# Altium PCB Touch.PcbDoc
Units mil, origin at the board's own origin, x right, y up, seen from the top; angles counter-clockwise.
Board outline 18895 x 844.38 mil, 2 copper layers (Top Layer, Bottom Layer); 105 components, 62 nets, 324 pads, 237 vias.
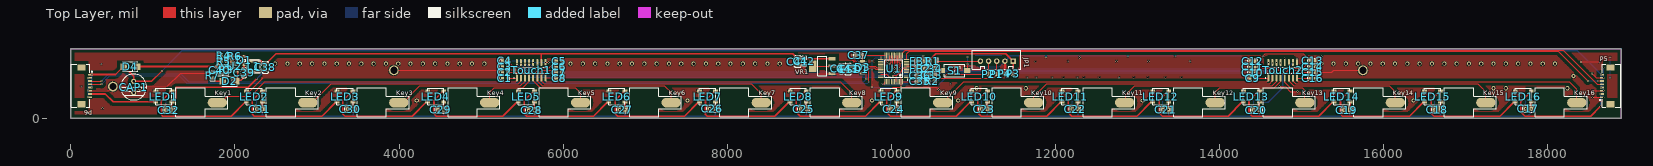
[diagram p0: Top Layer view]
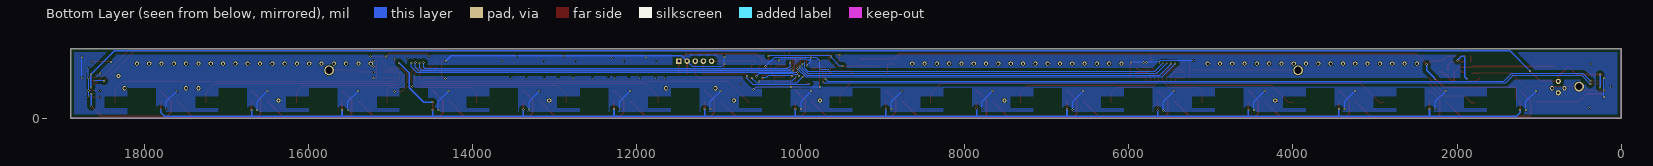
[diagram p1: Bottom Layer view, seen from below]
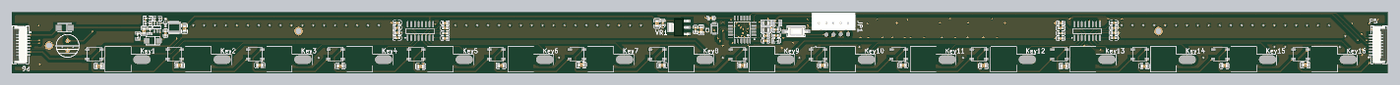
[diagram p2: 3D render of the assembled board from above, using the file's embedded part models]

## Layer stack, top to bottom
Top Solder: solder mask 0.4, Solder Resist, Dk 3.5
Top Layer: signal copper 1.4
Dielectric 1: dielectric 12.6, FR-4, Dk 4.8
Bottom Layer: signal copper 1.4
Bottom Solder: solder mask 0.4, Solder Resist, Dk 3.5

## Board outline
0,0 18895,0 18895,844.38 0,844.38

## Design rules (kind name [scope] priority, off if disabled: settings)
Clearance CU [InNamedPolygon('POWER_GND_L02_P000')] p1: gap=39.37
Clearance CU2 [InNamedPolygon('POWER_GND_L01_P002')] p2: gap=39.37
Clearance [All] p3: gap=6
PolygonConnect [All] p1: connectstyle=Relief reliefconductorwidth=10 reliefentries=4 polygonreliefangle="90 Angle" airgapwidth=10
RoutingVias [All] p1: holewidth=11.81 width=23.62 viastyle="Through Hole" minholewidth=11.81 minwidth=23.62 maxholewidth=19.68 maxwidth=50
SolderMaskExpansion [All] p1: expansion=4
Width [All] p1: maxlimit=20 minlimit=6 preferedwidth=10
30 further rules are at their usual default settings.

## Classes and differential pairs
component class WS2812: C1 C2 C3 C4 C5 C6 C7 C8 C9 C10 C11 C12 C13 C14 C15 C16 C17 C18 C19 C20 C21 C22 C23 C24 C25 C26 C27 C28 C29 C30 C31 C32 Key1 Key2 Key3 Key4 Key5 Key6 Key7 Key8 Key9 Key10 Key11 Key12 Key13 Key14 Key15 Key16 LED1 LED2 LED3 LED4 LED5 LED6 LED7 LED8 LED9 LED10 LED11 LED12 LED13 LED14 LED15 LED16 Touch1 Touch2
component class POWER: C38 C39 C40 C41 C42 C43 C44 CAP1 D1 D2 D3 D4 ESD1 L1 P5 P6 R3 R4 R5 R6 R7 U2 VR1
component class MCU: C33 C34 C35 C36 C37 FB1 FB2 JP1 P1 P2 P3 P4 R1 R2 S1 U1

## Components (designator, comment, footprint, x,y, rotation, side; value= is the part's Value field where it differs from the comment)
C1 "10pF (100) 5% 50V" 0603_C 5290,489.38 r180 top
C2 "10pF (100) 5% 50V" 0603_C 5290,559.38 r180 top
C3 "10pF (100) 5% 50V" 0603_C 5290,629.38 r180 top
C4 "10pF (100) 5% 50V" 0603_C 5290,699.38 r180 top
C5 "10pF (100) 5% 50V" 0603_C 5950,694.38 r0 top
C6 "10pF (100) 5% 50V" 0603_C 5950,624.38 r0 top
C7 "10pF (100) 5% 50V" 0603_C 5950,554.38 r0 top
C8 "10pF (100) 5% 50V" 0603_C 5950,484.38 r0 top
C9 "10pF (100) 5% 50V" 0603_C 14405,484.38 r180 top
C10 "10pF (100) 5% 50V" 0603_C 14405,554.38 r180 top
C11 "10pF (100) 5% 50V" 0603_C 14405,624.38 r180 top
C12 "10pF (100) 5% 50V" 0603_C 14405,694.38 r180 top
C13 "10pF (100) 5% 50V" 0603_C 15135,699.38 r0 top
C14 "10pF (100) 5% 50V" 0603_C 15135,629.38 r0 top
C15 "10pF (100) 5% 50V" 0603_C 15135,559.38 r0 top
C16 "10pF (100) 5% 50V" 0603_C 15135,489.38 r0 top
C17 "10uF (106) 10% 25V" 0805_C 17765,114.38 r0 top
C18 "10uF (106) 10% 25V" 0805_C 16656.67,104.38 r0 top
C19 "10uF (106) 10% 25V" 0805_C 15553.33,99.38 r0 top
C20 "10uF (106) 10% 25V" 0805_C 14450,99.38 r0 top
C21 "10uF (106) 10% 25V" 0805_C 13345,105 r0 top
C22 "10uF (106) 10% 25V" 0805_C 12240,110 r0 top
C23 "10uF (106) 10% 25V" 0805_C 11135,110 r0 top
C24 "10uF (106) 10% 25V" 0805_C 10030,110 r0 top
C25 "10uF (106) 10% 25V" 0805_C 8930,110 r0 top
C26 "10uF (106) 10% 25V" 0805_C 7820,115 r0 top
C27 "10uF (106) 10% 25V" 0805_C 6720,105 r0 top
C28 "10uF (106) 10% 25V" 0805_C 5615,95 r0 top
C29 "10uF (106) 10% 25V" 0805_C 4510,100 r0 top
C30 "10uF (106) 10% 25V" 0805_C 3405,110 r0 top
C31 "10uF (106) 10% 25V" 0805_C 2300,110 r0 top
C32 "10uF (106) 10% 25V" 0805_C 1195,99.38 r0 top
C33 "100nF (104) 10% 50V" 0603_C 10495,524.38 r0 top
C34 "100nF (104) 10% 50V" 0603_C 10495,604.38 r180 top
C35 "100nF (104) 10% 50V" 0603_C 10355,449.38 r0 top
C36 "100nF (104) 10% 50V" 0603_C 10355,519.38 r0 top
C37 "100nF (104) 10% 50V" 0603_C 9600,764.38 r180 top
C38 "22uF (226) 20% 25V" 0805_C 2370,619.38 r270 top
C39 "22nF (223) 10% 50V" 0603_C 2110,554.38 r270 top
C40 "10uF (106) 10% 25V" 0805_C 1815,584.38 r90 top
C41 "10uF (106) 10% 25V" 0805_C 8860,689.38 r90 top
C42 "100nF (104) 10% 50V" 0603_C 8940,694.38 r90 top
C43 "10uF (106) 10% 25V" 0805_C 9470,599.38 r90 top
C44 "100nF (104) 10% 50V" 0603_C 9390,604.38 r90 top
CAP1 "CAP" 8X12_CAP 765,379.38 r270 top
D1 "1N4148WS T4" SOD-323 2110,704.38 r90 top
D2 "SS210" SMA(DO-214AC)_S1 1935,449.38 r180 top
D3 "ZMM3V3" LL-34 9650,619.38 r270 top
D4 "M7" SMA(DO-214AC)_S1 725,629.38 r180 top
ESD1 "ESD5Z12T" SOD-523 9550,569.38 r90 top
FB1 "100Ω ±25% 100MHz" 0805_L 10355,694.38 r180 top
FB2 "100Ω ±25% 100MHz" 0805_L 10355,599.38 r180 top
JP1 "HDR-1X5" XH2.54-LI-5P 11285,694.38 r180 top
Key1 "TP" SPRING_TOUCH 1785,189.38 r90 top
Key2 "TP" SPRING_TOUCH 2888.33,189.38 r90 top
Key3 "TP" SPRING_TOUCH 3996.67,189.38 r90 top
Key4 "TP" SPRING_TOUCH 5105,189.38 r90 top
Key5 "TP" SPRING_TOUCH 6213.33,189.38 r90 top
Key6 "TP" SPRING_TOUCH 7316.67,189.38 r90 top
Key7 "TP" SPRING_TOUCH 8415,189.38 r90 top
Key8 "TP" SPRING_TOUCH 9518.33,189.38 r90 top
Key9 "TP" SPRING_TOUCH 10626.67,189.38 r90 top
Key10 "TP" SPRING_TOUCH 11735,189.38 r90 top
Key11 "TP" SPRING_TOUCH 12843.33,189.38 r90 top
Key12 "TP" SPRING_TOUCH 13946.67,189.38 r90 top
Key13 "TP" SPRING_TOUCH 15040,189.38 r90 top
Key14 "TP" SPRING_TOUCH 16143.33,189.38 r90 top
Key15 "TP" SPRING_TOUCH 17246.67,189.38 r90 top
Key16 "TP" SPRING_TOUCH 18355,189.38 r90 top
L1 "4.7uH ±10%" L_4030 2308.74,553.71 r90 top
LED1 "WS2812B" WS2812 1230.32,362.41 r180 top
LED2 "WS2812B" WS2812 2334.94,362.41 r180 top
LED3 "WS2812B" WS2812 3439.57,362.41 r180 top
LED4 "WS2812B" WS2812 4544.2,362.41 r180 top
LED5 "WS2812B" WS2812 5648.82,362.41 r180 top
LED6 "WS2812B" WS2812 6753.45,362.41 r180 top
LED7 "WS2812B" WS2812 7858.08,362.41 r180 top
LED8 "WS2812B" WS2812 8962.71,362.41 r180 top
LED9 "WS2812B" WS2812 10067.33,362.41 r180 top
LED10 "WS2812B" WS2812 11171.96,362.41 r180 top
LED11 "WS2812B" WS2812 12276.59,362.41 r180 top
LED12 "WS2812B" WS2812 13381.21,362.41 r180 top
LED13 "WS2812B" WS2812 14485.84,362.41 r180 top
LED14 "WS2812B" WS2812 15590.47,362.41 r180 top
LED15 "WS2812B" WS2812 16695.1,362.41 r180 top
LED16 "WS2812B" WS2812 17799.72,362.41 r180 top
P1 "TP" TP 11285,534.38 r180 top
P2 "TP" TP 11185,534.38 r180 top
P3 "TP" TP 11485,539.38 r180 top
P4 "TP" TP 11385,539.38 r180 top
P5 "Header 8" FPC1.0-2H-WS-8P 18765,393.7 r90 top
P6 "Header 8" FPC1.0-2H-WS-8P 130,393.7 r270 top
R1 "10KΩ (1002) ±1%" 0805_R 10505,694.38 r180 top
R2 "10KΩ (1002) ±1%" 0603_R 10495,449.38 r180 top
R3 "100KΩ (1003) ±1%" 0603_R 1895,589.38 r90 top
R4 "2KΩ (2001) ±1%" 0603_R 1865,759.38 r0 top
R5 "7.5KΩ (7501) ±1%" 0603_R 1865,689.38 r180 top
R6 "49.9KΩ (4992) ±1%" 0603_R 1995,754.38 r0 top
R7 "0Ω (0R0) ±1%" 0603_R 1730,519.38 r270 top
S1 "SW-SPST" "TSW SMD-3*6*2.5" 10772.31,580.16 r0 top
Touch1 "BS818A-2" SO-16_N 5610,584.38 r90 top
Touch2 "BS818A-2" SO-16_N 14770,584.38 r90 top
U1 "STM32F030C8T6" LQFP-48_7x7x05P 10030,604.38 r90 top
U2 "MP2359DJ-LF-Z" SOT-23-6 1995,634.38 r90 top
VR1 "AMS1117-3.3" SOT-223 9160,634.38 r0 top

## Footprints (in the part's own frame and the unit in brackets; to place one, negate y for a bottom-side part, rotate by r counter-clockwise, add the part's x,y. Pads: shape width x height; smd on the part's side, far side on the other; paste and mask are expansions set on the pad)
8X12_CAP [mm]
  round 1.6 hole 0.75: 1(-1.75,0) 2(1.75,0)
  silkscreen extent -4,-4 4,4
0603_C [mm]
  rect 0.93x0.98 smd: 1(-0.77,0) 2(0.77,0)
  silkscreen extent -1.53,-0.79 1.54,0.79, body extent -0.8,-0.4 0.8,0.4, height 0.3
0603_R [mm]
  rect 0.93x0.98 smd: 1(-0.77,0) 2(0.77,0)
  silkscreen extent -1.53,-0.79 1.54,0.79, body extent -0.85,-0.4 0.85,0.4, height 0.56
0805_C [mm]
  rect 1.16x1.47 smd: 1(-0.89,0) 2(0.89,0)
  silkscreen extent -1.77,-1.04 1.77,1.04, body extent -1,-0.62 1,0.63, height 0.77
0805_L [mm]
  rect 1.16x1.47 smd: 1(-0.89,0) 2(0.89,0)
  silkscreen extent -1.77,-1.04 1.77,1.03, body extent -1.02,-0.64 1.03,0.64, height 0.6
0805_R [mm]
  rect 1.16x1.47 smd: 1(-0.89,0) 2(0.89,0)
  silkscreen extent -1.77,-1.04 1.77,1.03, body extent -1,-0.62 1,0.63, height 0.49
FPC1.0-2H-WS-8P [mm] "翻盖FPC，脚距1mm，不含脚（长12.9mm，宽5.2mm，高1.96mm）"
  rect 2x2.5 smd: 0(-5.69,0) 0(5.69,0)
  rect 0.5x1.25 smd: 1(-3.5,2.575) 2(-2.5,2.575) 3(-1.5,2.575) 4(-0.5,2.575) 5(0.5,2.575) 6(1.5,2.575) 7(2.5,2.575) 8(3.5,2.575)
  silkscreen extent -6.64,-3.18 6.64,3.31, body extent -6.45,-3.15 6.45,2.85, height 2
L_4030 [mm]
  rect 1.2x3.5 smd: 1(0.3,2) 2(3.7,2)
  silkscreen extent 0,0 4,4
LL-34 [mm]
  rect 0.9x1.5 smd: 1(1.75,0) 2(-1.75,0)
  silkscreen extent -1.8,-1.08 1.8,1.08
LQFP-48_7x7x05P [mm]
  oval 0.28x1.8 smd mask+0.051: 1(-2.75,-4.05) 2(-2.25,-4.05) 3(-1.75,-4.05) 4(-1.25,-4.05) 5(-0.75,-4.05) 6(-0.25,-4.05) 7(0.25,-4.05) 8(0.75,-4.05) 9(1.25,-4.05) 10(1.75,-4.05) 11(2.25,-4.05) 12(2.75,-4.05) 25(2.75,4.05) 26(2.25,4.05) 27(1.75,4.05) 28(1.25,4.05) 29(0.75,4.05) 30(0.25,4.05) 31(-0.25,4.05) 32(-0.75,4.05) 33(-1.25,4.05) 34(-1.75,4.05) 35(-2.25,4.05) 36(-2.75,4.05)
  oval 1.8x0.28 smd mask+0.051: 13(4.05,-2.75) 14(4.05,-2.25) 15(4.05,-1.75) 16(4.05,-1.25) 17(4.05,-0.75) 18(4.05,-0.25) 19(4.05,0.25) 20(4.05,0.75) 21(4.05,1.25) 22(4.05,1.75) 23(4.05,2.25) 24(4.05,2.75) 37(-4.05,2.75) 38(-4.05,2.25) 39(-4.05,1.75) 40(-4.05,1.25) 41(-4.05,0.75) 42(-4.05,0.25) 43(-4.05,-0.25) 44(-4.05,-0.75) 45(-4.05,-1.25) 46(-4.05,-1.75) 47(-4.05,-2.25) 48(-4.05,-2.75)
  silkscreen extent -3.6,-4.43 2.75,2.75
SMA(DO-214AC)_S1 [mm]
  rect 2x2 smd: 1(2.1,0) 2(-2.1,0)
  silkscreen extent -2.35,-1.5 2.35,1.5
SO-16_N [mm] "SOIC, 16-Leads, Body 9.9x3.9mm, Pitch 1.27mm, IPC Medium Density"
  oval 2.2x0.6 smd: 1(-2.4,4.445) 2(-2.4,3.175) 3(-2.4,1.905) 4(-2.4,0.635) 5(-2.4,-0.635) 6(-2.4,-1.905) 7(-2.4,-3.175) 8(-2.4,-4.445) 9(2.4,-4.445) 10(2.4,-3.175) 11(2.4,-1.905) 12(2.4,-0.635) 13(2.4,0.635) 14(2.4,1.905) 15(2.4,3.175) 16(2.4,4.445)
  silkscreen extent -2.52,-5 0.9,5.42, body extent -2,-5 2,5, height 1.75
SOD-323 [mm]
  rect 1x0.83 smd: 1(1.18,0) 2(-1.18,0)
  silkscreen extent -0.4,-0.6 0.4,0.6, body extent -1.35,-0.62 1.35,0.63, height 1.1
SOD-523 [mm]
  rect 0.5x0.4 smd: 1(0,0) 2(1.4,0)
  silkscreen extent 0,-0.51 1.4,0.51
SOT-23-6 [mm]
  rect 1.1x0.6 smd: 1(1.4,-0.95) 2(1.4,0) 3(1.4,0.95) 4(-1.4,0.95) 5(-1.4,0) 6(-1.4,-0.95)
  silkscreen extent -0.5,-1.87 1.72,1.4
SOT-223 [mm]
  rect 2.2x1 smd: 1(3,-2.3) 2(3,0) 3(3,2.3)
  rect 2.2x3.5 smd: 2(-3,0)
  silkscreen extent -1.4,-3 1.4,3, body extent -3.49,-3.24 3.49,3.24, height 1.64
SPRING_TOUCH [mm]
  oval 3x6 smd: 1(0,0)
  silkscreen extent -4.45,-3.17 4.57,12.83
TP [mil]
  round 60 smd mask+11.81: 1(0,0)
"TSW SMD-3*6*2.5" [mm] "3*6*2.5mm"
  rect 2x1.5 smd: 1(-3.996,-0.02) 2(3.937,0)
  silkscreen extent -3.21,-1.9 3.09,1.9, body extent -4,-1.88 4,1.62, height 2.59
WS2812 [mm]
  rect 1.5x0.9 smd: 1(0,4.15) 2(0,0.85) 3(4.953,0.85) 4(5,4.15)
  silkscreen extent 0,0 5,5
XH2.54-LI-5P [mm] "接插件，5P"
  rect 1.7x1.7 hole 0.9: 1(-5.08,0)
  round 1.7 hole 0.9: 2(-2.54,0) 3(0,0) 4(2.54,0) 5(5.08,0)
  silkscreen extent -7.48,-3.45 7.52,2.49, body extent -7.58,-3.3 7.58,2.4, height 7.03

## Part data
C1 C2 C3 C4 C5 C6 C7 C8 C9 C10 C11 C12 C13 C14 C15 C16: library part "0603 10pF (100) 5% 50V", "贴片电容"
C17 C18 C19 C20 C21 C22 C23 C24 C25 C26 C27 C28 C29 C30 C31 C32 C40 C41 C43: library part "0805 10uF (106) 10% 25V", "贴片电容"
C33 C34 C35 C36 C37 C42 C44: library part "0603 100nF (104) 10% 50V", "贴片电容"
C38: library part "0805 22uF (226) 20% 25V", "贴片电容"
C39: library part "0603 22nF (223) 10% 50V", "贴片电容"
D1: library part "SOD-323 1N4148WS T4", "二极管"
D2: library part "SMA(DO-214AC) SS210", "二极管"
D3: library part "LL-34 ZMM3V3", "稳压二极管"
D4: library part "SMA(DO-214AC) M7", "二极管"
ESD1: library part ESD-D
FB1 FB2: library part "0805 100Ω 25% 100MHz", "贴片磁珠"
JP1: library part "Header 5", "5P接插件"
L1: library part "0603 4.7uH 10%", "贴片电感"
P5 P6: "Header, 8-Pin"
R1: library part "0805 10KΩ (1002) 1%", "贴片电阻"
R2: library part "0603 10KΩ (1002) 1%", "贴片电阻"
R3: library part "0603 100KΩ (1003) 1%", "贴片电阻"
R4: library part "0603 2KΩ (2001) 1%", "贴片电阻"
R5: library part "0603 7.5KΩ (7501) 1%", "贴片电阻"
R6: library part "0603 49.9KΩ (4992) 1%", "贴片电阻"
R7: library part "0603 0Ω (0R0) 1%", "贴片电阻"
S1: "Single-Pole, Single-Throw Switch"
U1: "ARM"
U2: library part MP2359DJ-LF-Z_[C14259], "DC-DCоƬ"
VR1: library part "SOT-223 AMS1117-3.3", "低压差线性稳压(LDO)"

## Free pads (board coordinates)
  round 118.11 hole 86.61: 0(511.81,385) 0(3937.01,583.63) 0(15748.03,583.63)

## Via types
v1: diameter 23.62, hole 11.81, Top Layer to Bottom Layer, 139 vias
v2: diameter 50, hole 28, Top Layer to Bottom Layer, tented both sides, 70 vias
v3: diameter 19.68, hole 11.81, Top Layer to Bottom Layer, 28 vias

## Nets (pads, with @x,y where several pads share a name; then routed paths per layer and width w, separated by ;. In a path a pad name is that pad's centre, name@x,y a point inside that pad or via, vN(x,y) a via of type N, cw(c..) or ccw(c..) an arc to the next point about the centre after c; other vN are vias at no path point)
BIN0: Touch1.13 U1.21 | length 4603.8
  Top Layer w10: v1(5585,669.38) Touch1.13 ; v1(9950,689.38) 9980.79,720.16 U1.21
  Bottom Layer w10: v1(5585,669.38) 5690,564.38 9905,564.38 9950,609.38 v1(9950,689.38)
BIN1: Touch1.14 U1.20 | length 4690.8
  Top Layer w10: v1(9980,659.38) 10000.47,679.85 U1.20
  Bottom Layer w10: v1(5535,669.38) 5665,539.38 9910,539.38 9980,609.38 v1(9980,659.38)
BIN2: Touch1.15 U1.19 | length 4795.5
  Top Layer w10: v1(5485,664.38) Touch1.15 ; v1(10010,629.38) 10020.16,639.53 U1.19
  Bottom Layer w10: v1(5485,664.38) 5630,519.38 9920,519.38 10010,609.38 v1(10010,629.38)
BIN3: Touch1.16 U1.18 | length 4869.9
  Top Layer w10: v1(10040,604.38) U1.18@10040,757.32
  Bottom Layer w10: v1(5435,664.38) 5435.16,664.53 5600.31,499.38 9935,499.38 v1(10040,604.38)
BIN4: Touch2.13 U1.17 | length 5017.3
  Top Layer w10: v1(10040,554.38) 10035,554.38 10070,589.38 10070,644.38 10059.53,654.85 U1.17
  Bottom Layer w10: v1(10040,554.38) 14675,554.38 14745,624.38 v1(14745,674.38)
BIN5: Touch2.14 U1.16 | length 4874.5
  Top Layer w10: U1.16 10079.21,657.79 10086,651 10086,588.38 v1(10095,579.38)
  Bottom Layer w10: v1(10095,579.38) 10104,570.38 14646,570.38 14695,619.38 v1(14695,678.86)
BIN6: Touch2.15 U1.15 | length 4775.2
  Top Layer w10: U1.15 10098.9,675.48 10110,664.38 v1(10110,614.38)
  Bottom Layer w10: v1(10110,614.38) 10138,586.38 14622,586.38 14645,609.38 v1(14645,674.38)
BIN7: Touch2.16 U1.14 | length 4679
  Top Layer w10: U1.14 10118.58,690.79 v1(10130,679.38)
  Bottom Layer w10: v1(10130,679.38) 10130,634.38 10162,602.38 14578,602.38 14595,619.38 v1(14595,678.86)
DATA_IN: LED1.4 P6.7 | length 842
  Top Layer w20: P6.7 419.72,295.28 515.98,199.02 LED1.4
DATA_OUT: LED16.2 P5.2 | length 1501
  Top Layer w20: LED16.2 17670,199.22 17670,78.5 17723.5,25 18525,25 v1(18645,145)
  Bottom Layer w20: v1(18645,145) v1(18645,295)
GNDA: FB2.2 U1.8 | length 144.8
  Top Layer w10: U1.8 10285.43,633.9 FB2.2
NetC1_1: C1.1 Key1.1 Touch1.1 | length 3906.9
  Top Layer w10: Key1.1@1824.38,189.38 1905,270 2190,270 2365,445 5420,445 5435,460 Touch1.1 5434.49,489.38 C1.1
  Top Layer w20: Key1.1 Key1.1@1824.38,189.38
NetC2_1: C2.1 Key2.1 Touch1.2 | length 2961.1
  Top Layer w10: Key2.1 2944.38,189.38 3175,420 5455,420 5485,450 Touch1.2 5485,529.38 5455,559.38 C2.1
NetC3_1: C3.1 Key3.1 Touch1.3 | length 1984.7
  Top Layer w10: Key3.1 4049.38,189.38 4255,395 5480,395 5535,450 Touch1.3 5535,534.38 5480,589.38 5360.31,589.38 C3.1
NetC4_1: C4.1 Key4.1 Touch1.4 | length 1078.8
  Top Layer w10: Key4.1 5105,315 5160,370 5505,370 5585,450 Touch1.4 5585,534.38 5500,619.38 5400,619.38 C4.1@5320.31,699.06
NetC5_1: C5.1 Key5.1 Touch1.5 | length 1181.5
  Top Layer w10: C5.1 5910,694.38 5830,614.38 5720,614.38 5635,529.38 Touch1.5 5635,455 5720,370 6145,370 6213.33,301.67 Key5.1
NetC6_1: C6.1 Key6.1 Touch1.6 | length 2159.8
  Top Layer w10: C6.1 5879.68,584.38 5745,584.38 5685,524.38 Touch1.6 5685,455 5745,395 7235,395 7316.67,313.33 Key6.1
NetC7_1: C7.1 Key7.1 Touch1.7 | length 3118.4
  Top Layer w10: C7.1 5765,554.38 5735,524.38 Touch1.7 5735,455 5770,420 8290,420 8415,295 Key7.1
NetC8_1: C8.1 Key8.1 Touch1.8 | length 4083.9
  Top Layer w10: C8.1 5914.17,489.89 Touch1.8 5785,455 5795,445 9380,445 9518.33,306.67 Key8.1
NetC9_1: C9.1 Key9.1 Touch2.1 | length 4271.2
  Top Layer w10: Key9.1 10882.29,445 14575,445 14595,465 Touch2.1@14595,484.38 ; C9.1@14435.31,474.38 14445.31,484.38 Touch2.1@14595,484.38 ; Touch2.1 Touch2.1@14595,484.38
NetC10_1: C10.1 Key10.1 Touch2.2 | length 3358.7
  Top Layer w10: Key10.1 11735,260 11895,420 14610,420 14645,455 Touch2.2 14645,534.38 14625.18,554.19 C10.1@14435.31,554.19
NetC11_1: C11.1 Key11.1 Touch2.3 | length 2402
  Top Layer w10: Key11.1 12855,201.04 12855,285 12965,395 14640,395 14695,450 Touch2.3 14695,554.38 14669.18,580.19 14479.18,580.19 14435.31,624.06 C11.1
NetC12_1: C12.1 Key12.1 Touch2.4 | length 1455.8
  Top Layer w10: Key12.1 13946.67,316.67 14000,370 14665,370 14745,450 Touch2.4 14745,559.38 14695,609.38 14520.31,609.38 C12.1
NetC13_1: C13.1 Key13.1 Touch2.5 | length 918.2
  Top Layer w10: Key13.1 15040,340 15010,370 14860,370 14795,435 Touch2.5 14795,544.38 14862,611.38 15016.69,611.38 C13.1
NetC14_1: C14.1 Key14.1 Touch2.6 | length 1853.6
  Top Layer w10: C14.1 15060.69,585.38 14914.23,585.38 14845,516.14 Touch2.6 14845,455 14905,395 16070,395 16143.33,321.67 Key14.1
NetC15_1: C15.1 Key15.1 Touch2.7 | length 2836.6
  Top Layer w10: C15.1 14925,559.38 14895,529.38 Touch2.7 14895,455 14930,420 17150,420 17246.67,323.33 Key15.1
NetC16_1: C16.1 Key16.1 Touch2.8 | length 3808.9
  Top Layer w10: C16.1 14945.51,489.38 Touch2.8 14945,460 14960,445 18265,445 18355,355 Key16.1
NetC39_1: C39.1 D1.2 U2.1 | length 163.9
  Top Layer w20: U2.1 2078.43,689.49 D1.2 C39.1
NetC39_2: C39.2 D2.2 L1.1 U2.6 | length 390
  Top Layer w20: D2.2 D2.2@2032.4,464.1 ; U2.6 D2.2@2032.4,464.1 ; L1.1 2186.14,565.52 2144.69,524.06 C39.2 2110,499.38 2074.72,464.1 D2.2@2032.4,464.1
NetLED1_2: LED1.2 LED2.4 | length 1460.1
  Top Layer w20: LED1.2 1223.94,328.94 1100,205 1100,45 1120,25 1955,25 2129.02,199.02 LED2.4
NetLED2_2: LED2.2 LED3.4 | length 1452.3
  Top Layer w20: LED2.2 2323.94,328.94 2210,215 2210,50 2235,25 3060,25 3234.02,199.02 LED3.4
NetLED3_2: LED3.2 LED4.4 | length 1451.5
  Top Layer w20: LED3.2 3428.94,328.94 3315,215 3315,50 3340,25 4160,25 4334.02,199.02 LED4.4
NetLED4_2: LED4.2 LED5.4 | length 1440.8
  Top Layer w20: LED4.2 4533.94,328.94 4425,220 4425,55 4455,25 5265,25 5439.02,199.02 LED5.4
NetLED5_2: LED5.2 LED6.4 | length 1451.2
  Top Layer w20: LED5.2 5643.88,333.88 5525,215 5525,55 5555,25 6370,25 6544.02,199.02 LED6.4
NetLED6_2: LED6.2 LED7.4 | length 1443.3
  Top Layer w20: LED6.2 6748.7,333.7 6635,220 6635,55 6665,25 7480,25 7654.02,199.02 LED7.4
NetLED7_2: LED7.2 LED8.4 | length 1455.3
  Top Layer w20: LED7.2 7853.51,333.51 7735,215 7735,45 7755,25 8580,25 8754.02,199.02 LED8.4
NetLED8_2: LED8.2 LED9.4 | length 1436.1
  Top Layer w20: LED8.2 8948.94,328.94 8840,220 8840,75 8890,25 9685,25 9859.02,199.02 LED9.4
NetLED9_2: LED9.2 LED10.4 | length 1442.4
  Top Layer w20: LED9.2 10062.33,333.94 10058.94,333.94 9945,220 9945,70 9990,25 10790,25 10964.02,199.02 LED10.4
NetLED10_2: LED10.2 LED11.4 | length 1438.8
  Top Layer w20: LED10.2 11165.45,335.45 11055,225 11055,65 11095,25 11895,25 12069.02,199.02 LED11.4
NetLED11_2: LED11.2 LED12.4 | length 1440.9
  Top Layer w20: LED11.2 12271.59,333.94 12268.94,333.94 12155,220 12155,70 12200,25 12995,25 13169.02,199.02 LED12.4
NetLED12_2: LED12.2 LED13.4 | length 1437
  Top Layer w20: LED12.2 13375.08,335.08 13265,225 13265,65 13305,25 14105,25 14279.02,199.02 LED13.4
NetLED13_2: LED13.2 LED14.4 | length 1449.4
  Top Layer w20: LED13.2 14480.84,333.94 14478.94,333.94 14360,215 14360,65 14400,25 15210,25 15384.02,199.02 LED14.4
NetLED14_2: LED14.2 LED15.4 | length 1443.3
  Top Layer w20: LED14.2 15585.47,333.94 15583.94,333.94 15475,225 15475,50 15500,25 16315,25 16489.02,199.02 LED15.4
NetLED15_2: LED15.2 LED16.4 | length 1432.6
  Top Layer w20: LED15.2 16683.94,328.94 16580,225 16580,60 16615,25 17420,25 17594.02,199.02 LED16.4
NetR2_1: R2.1 U1.44 | length 525.4
  Top Layer w10: U1.44 10060,445.4 v1(10060,499.38)
  Bottom Layer w10: v1(10060,499.38) 10110,449.38 v1(10510,449.38)
NetR3_1: R3.1 U2.4 | length 71
  Top Layer w20: R3.1 1937.4,559.06 U2.4
NetR4_1: R4.1 R5.2 | length 70
  Top Layer w20: R5.2 R4.1
NetR5_1: R5.1 R6.1 U2.3 | length 130.1
  Top Layer w20: R5.1 1957.48,689.38 U2.3 1964.69,696.58 R6.1
NRST: C33.2 JP1.5 R1.1 S1.1 U1.7 | length 1583
  Top Layer w10: v1(10020,514.38) 10030,524.38 10065,524.38 10090,549.38 10110,549.38 10130,569.38 10130,589.38 10154.84,614.22 U1.7 ; C33.2 10550,524.38 10585,559.38 10595,559.38 S1.1@10605,569.38 ; S1.1@10590,569.38 S1.1@10605,569.38 ; JP1.5 R1.1 10595,639.41 10595,599.38 S1.1 S1.1@10605,569.38
  Bottom Layer w10: v1(10020,514.38) 10035,529.38 10085,529.38 10094,538.38 10511,538.38 v1(10540,509.38)
POWER_+3.3V: C34.1 C35.1 C36.1 C37.1 C43.2 C44.2 D3.2 ESD1.2 FB1.1 JP1.1 P3.1 R1.2 U1.1 U1.24 U1.48 VR1.2 | length 3965
  Top Layer w10: VR1.2@9041.89,634.38 VR1.2@9278.11,634.38 ; C43.2 C43.2 ; v1(9490,634.38) 9540,634.38 9549.88,624.49 ESD1.2 ; v1(9630.32,751.88) C37.1@9630.32,764.06 ; D3.2 9650,744.37 C37.1@9630.32,764.06 ; U1.24 9921.18,764.38 C37.1 C37.1@9630.32,764.06 ; U1.48 10320.24,444.93 C35.1 C36.1 ; U1.1 10301.42,496.11 C36.1 ; v1(10390,759.38) v1(10390,759.38) FB1.1 FB1.1@10400,694.38 ; R1.2@10469.96,714.34 R1.2 ; C34.1 10495,634.69 10495,659.38 10469.96,684.41 R1.2 ; C36.1 10356.2,550.89 10356.2,650.58 FB1.1@10400,694.38 ; FB1.1@10400,694.38 R1.2
  Top Layer w20: VR1.2@9278.11,634.38 C43.2 ; R1.2@10469.96,714.34 10540,784.38 11395,784.38 JP1.1 P3.1
  Bottom Layer w10: v1(9490,634.38) 9525,634.38 9630.32,739.69 v1(9630.32,751.88) 9640.63,762.19 10387.19,762.19 v1(10390,759.38)
POWER_+12V: CAP1.1 D4.1 P5.4 P5.8 P6.1 P6.5 | length 19148.8
  Top Layer w20: P6.1 v1(255,531.5) 544.44,531.5 D4.1 ; D4.1@650,624.38 765,509.38 CAP1.1 983.27,448.27 v1(1110,575)
  Bottom Layer w20: v1(255,375) v1(255,531.5) ; v1(1110,575) 1355,820 18362.99,820 v1(18651.5,531.5) 18651.5,376.5 v1(18650,375)
POWER_GND: C1.2 C2.2 C3.2 C4.2 C5.2 C6.2 C7.2 C8.2 C9.2 C10.2 C11.2 C12.2 C13.2 C14.2 C15.2 C16.2 C17.1 C18.1 C19.1 C20.1 C21.1 C22.1 C23.1 C24.1 C25.1 C26.1 C27.1 C28.1 C29.1 C30.1 C31.1 C32.1 C33.1 C34.2 C35.2 C36.2 C37.2 C38.2 C40.1 C41.1 C42.1 C43.1 C44.1 CAP1.2 D3.1 ESD1.1 FB2.1 JP1.2 LED1.3 LED2.3 LED3.3 LED4.3 LED5.3 LED6.3 LED7.3 LED8.3 LED9.3 LED10.3 LED11.3 LED12.3 LED13.3 LED14.3 LED15.3 LED16.3 P4.1 P5.1 P5.3 P5.7 P6.2 P6.6 P6.8 pad.0 R2.2 R7.1 S1.2 Touch1.9 Touch1.12 Touch2.9 Touch2.12 U1.23 U1.47 VR1.1 | length 22217.5
  Top Layer w10: v1(210.35,334.65) P6.6 461.46,334.65 pad.0@511.81,385 ; v1(210.91,490.91) P6.2@215,495 ; pad.0@511.81,385.24 689.95,385.65 839.95,386 1177.4,386.78 1340.31,549.69 R7.1 ; v1(2139.94,328.94) 2179.12,328.94 2343.27,493.09 ; pad.0@3937.01,583.63 5213.94,583.63 C3.2 ; v1(5210,700) 5210.62,699.38 C4.2 C3.2 ; C1.2 C2.2 C3.2 ; Touch1.9 5818.86,678.86 v1(5820,680) ; C8.2 C7.2 C6.2 C5.2@5980.32,680 ; C41.1 8930.28,654.34 C42.1 8940,569.38 8965.55,543.82 VR1.1 9359.76,543.82 C44.1 9610.94,574.06 9634.52,550.48 D3.1 v1(9650,590) 9525,715 v1(9525,771.5) C37.2@9565,771.5 ; v1(9765,380) v1(9765,590) ; v1(9925,644.38) 9925,709.38 9941.42,725.79 U1.23 ; 9985,365.3 10010.3,365.3 10023.58,378.58 v1(10118.58,378.58) ; v1(10105,514.38) 10118.58,500.79 U1.47 v1(10118.58,378.58) ; C35.2 R2.2 C33.1 10459.68,519.38 C36.2 ; FB2.1 10420.66,630 v1(10430,630) 10439.06,630 C34.2 ; v1(10575,350) 10546.42,378.58 v1(10118.58,378.58) ; S1.2 10930,582.85 v1(10930,660) ; v1(14325,694.38) C12.2 C11.2 C10.2 C9.2 v1(14330,484.38) ; v1@14525,754.38 v1(14530,754.38) 14560,784.38 15020.62,784.38 v1(15055,750) v1(15245,750) ; v1(14728.75,385) 14805,385 14865,325 v1(14950,325) ; v1(14945,724.21) Touch2.9 14949.4,683.27 14945.79,686.88 v1@14945.79,734.38 ; v1(15205,489.38) C16.2 C15.2 ; v1(15205,629.38) C14.2 ; v1(15205,699.38) C13.2 C14.2 ; pad.0@15748.03,583.63 15393.63,583.63 15369.38,559.38 v1(15205,559.38) C15.2 ; v1(18405,685) v1(18635,685) ; v1(18540,545) 18592.87,492.13 P5.7 v1(18682.13,492.13) ; v1(18545,334.38) 18545.27,334.65 P5.3 ; v1(18546.46,255) 18547.37,255.91 P5.1 ; P5.3@18680,330 v1(18680,335) ; C15.2 C14.2
  Top Layer w20: R7.1 1814.65,549.69 C40.1 ; P4.1 JP1.2
  Bottom Layer w10: v1@210,335 v1(210.35,334.65) ; v1(210.91,255.91) v1@210.91,334.65 ; v1@210.91,335 v1(210.91,490.91) ; v1(1035.32,328.94) 1160,204.26 v1(1160,100) ; v1(2139.94,328.94) 2265,203.88 v1(2265,110) ; v1(3244.57,328.94) 3370,203.51 v1(3370,110) ; v1(4349.2,328.94) 4475,203.14 v1(4475,100) ; v1(5210,700) 5613.86,700 v1(5635,678.86) 5783.86,678.86 v1(5785,680) ; v1(5453.82,328.94) 5580,202.77 v1(5580,95) ; v1(5820,680) v1(5975,680) ; v1(6558.45,328.94) 6685,202.39 v1(6685,105) ; v1(7663.08,328.94) 7785,207.02 v1(7785,115) ; v1(8767.71,328.94) 8895,201.65 v1(8895,110) ; v1(9650,590) v1(9765,590) v3(9765,700) 9804.38,739.38 v1(9875,739.38) ; v1(9765,380) 9766.42,378.58 v1(10118.58,378.58) 10546.42,378.58 v1(10575,350) ; v1(9872.33,328.94) 9995,206.27 v1(9995,110) ; v1(9925,644.38) 9875,694.38 9875,705 ; v1(10105,514.38) 10395.62,514.38 10420,490 v1(10465,490) ; v1(10265,704.38) 10249.38,720 9930,720 9915,705 9875,705 ; v1(10430,630) 10320.62,739.38 v1(9875,739.38) ; v1(10930,744.38) v1(10930,660) 10965,625 11315.62,625 JP1.2 ; v1(10976.96,328.94) 11100,205.9 v1(11100,110) ; 11025.63,765.63 11345,765.63 ; 11525.62,764.38 11530,760 ; v1(12081.59,328.94) 12205,205.53 v1(12205,110) ; v1(13186.21,328.94) 13310,205.16 v1(13310,105) ; v1(14290.84,328.94) 14415,204.78 v1(14415,100) ; 14707.48,384.38 14729.38,384.38 v1(14728.75,385) ; v1(15395.47,328.94) 15520,204.41 v1(15520,100) ; v1(16500.1,328.94) 16625,204.04 v1(16625,100) ; v1(17604.72,328.94) 17730,203.66 v1(17730,115) ; v1(18680,255) v1(18680,335) 18680,490 v1(18682.13,492.13) 18682.13,612.25 v1(18680,614.38) ; v3(18760,495) v3(18760,744.38) ; 9875,705 v1(9875,739.38)
  Bottom Layer w20: JP1.2 11450.62,760 11530,760 14259.38,760 v1(14325,694.38)
  other v1: 14795,725
  other v2: 4215,214.38 7515,214.38 9765,214.38 10815,214.38 13065,214.38 16365,214.38 690,364.38 840,364.38 11040,364.38 11640,364.38 17340,364.38 17490,364.38 18240,364.38 18315,514.38 2490,664.38 2640,664.38 2790,664.38 2940,664.38 3090,664.38 3240,664.38 3390,664.38 3540,664.38 3690,664.38 3840,664.38 3990,664.38 4140,664.38 4290,664.38 4440,664.38 4590,664.38 4740,664.38 4890,664.38 5040,664.38 6090,664.38 6240,664.38 6390,664.38 6540,664.38 6690,664.38 6840,664.38 6990,664.38 7140,664.38 7290,664.38 7440,664.38 7590,664.38 7740,664.38 7890,664.38 8040,664.38 8190,664.38 8340,664.38 8490,664.38 8640,664.38 15240,664.38 15390,664.38 15540,664.38 15690,664.38 15840,664.38 15990,664.38 16140,664.38 16290,664.38 16440,664.38 16590,664.38 16740,664.38 16890,664.38 17040,664.38 17190,664.38 17340,664.38 17490,664.38 17640,664.38 17790,664.38 17940,664.38 18090,664.38
  other v3: 385,120 125,385 10725,420 11655,494.37 11765,494.37 11960,494.37 12095,494.37 12265,494.37 12345,494.37 12535,494.37 12775,494.37 12955,494.37 13125,494.37 13340,494.38 13535,494.37 370,660 11755,690 12155,694.38 12745,694.38 13135,694.38 13640,694.38 12295,740 11885,744.38 13460,754.38 12885,755
SGND: D2.1 R4.2 R7.2 U2.2 | length 556.8
  Top Layer w20: R7.2 1769.68,449.38 D2.1 ; U2.2 v1(1995,704.38)
  Bottom Layer w20: v1(1875,474.38) 1905,504.38 v1(1905,754.38) 1945,754.38 v1(1995,704.38)
SWD_CLK: JP1.4 P2.1 U1.37 | length 1571.8
  Top Layer w10: v1(9895,419.38) 9920,419.38 9921.73,421.11 U1.37 ; v1(10655,514.38) 10675,534.38 P2.1 JP1.4
  Bottom Layer w10: v1(9895,419.38) 9905,409.38 10575,409.38 10655,489.38 v1(10655,514.38)
SWD_DIO: JP1.3 P1.1 U1.34 | length 1664.2
  Top Layer w10: U1.34 9943.9,535.48 v1(9980,499.38) ; v1(10595,489.38) 11240,489.38 P1.1 JP1.3
  Bottom Layer w10: v1(9980,499.38) 10052.81,426.56 10532.19,426.56 v1(10595,489.38)
UART1_RXD: P6.4 U1.31 | length 9895.9
  Top Layer w10: P6.4 232.99,415 v1(375,415) ; v1(9725,440) 9725,595 9744.22,614.22 9790.78,614.22 9810.47,594.53 U1.31
  Bottom Layer w10: v1(375,415) 475,515 1320,515 1410,425 9710,425 v1(9725,440)
UART1_TXD: P6.3 U1.30 | length 9874.3
  Top Layer w10: P6.3 372.76,452.76 v1(375,455) ; v1(9695,475) 9695,600 9728.9,633.9 9801.1,633.9 9820.78,614.22 U1.30
  Bottom Layer w10: v1(375,455) 460,540 1340,540 1435,445 9665,445 v1(9695,475)
UART2_RXD: P5.5 U1.13 | length 8745.5
  Top Layer w10: U1.13 10138.27,798.27 10170,830 18190,830 18606.61,413.39 P5.5
UART2_TXD: P5.6 U1.12 | length 8707.9
  Top Layer w10: U1.12 10189.45,784.45 10219,814 18131,814 v1(18490,455) ; v1(18610,455) 18661.38,455 P5.6
  Bottom Layer w10: v1(18490,455) v1(18610,455)
VBUS: C40.2 D4.2 R3.2 U2.5 | length 1222.8
  Top Layer w20: D4.2 1805.04,629.38 C40.2 1979.96,619.41 1995,604.38 U2.5
VDD_5.0: C17.2 C18.2 C19.2 C20.2 C21.2 C22.2 C23.2 C24.2 C25.2 C26.2 C27.2 C28.2 C29.2 C30.2 C31.2 C32.2 C38.1 C41.2 C42.2 D1.1 L1.2 LED1.1 LED2.1 LED3.1 LED4.1 LED5.1 LED6.1 LED7.1 LED8.1 LED9.1 LED10.1 LED11.1 LED12.1 LED13.1 LED14.1 LED15.1 LED16.1 R6.2 Touch1.10 Touch2.10 VR1.3 | length 28946.7
  Top Layer w20: v1(1230.04,99.38) 1230.32,99.65 LED1.1 1239.02,199.02 1280,240 1280,369.38 1285.62,375 2160,375 v1(2265,480) ; R6.2 2125,754.38 2180,699.38 L1.2 2315,699.38 C38.1@2359.96,654.41 ; v1(2334.94,110.1) LED2.1 ; v1(2370,654.41) 2499.96,784.38 5735,784.38 ; v1(3439.57,110.47) LED3.1 ; v1(4544.2,100.84) LED4.1 ; v1(5648.82,96.22) LED5.1 ; Touch1.10 5735,784.38 ; v1(6753.45,106.59) LED6.1 ; v1(7855.04,115) 7858.08,118.04 LED7.1 ; v1(8962.71,112.33) LED8.1 ; VR1.3 9277.6,724.41 C41.2 8800.04,784.38 5735,784.38 ; v1(10065.04,110) 10067.33,112.29 LED9.1 ; v1(11170.04,110) 11171.96,111.92 LED10.1 ; v1(12275.04,110) 12275.04,197.47 LED11.1 ; v1(13380.04,105) 13381.21,106.17 LED12.1 ; v1(14485.04,99.38) 14485.84,100.18 v1(14485.84,195.84) LED13.1 ; v1(14895,675) Touch2.10 ; v1(15588.37,99.38) 15590.47,101.47 LED14.1 ; v1(16691.71,101.71) C18.2 16695.1,107.77 LED15.1 ; LED16.1 17800.04,198.7 C17.2
  Bottom Layer w20: v1(1230.04,99.38) 1230.04,69.96 1275,25 2335,25 ; v1(2265,480) 2370,585 v1(2370,654.41) ; v1(2334.94,110.1) 2334.94,25.06 2335,25 ; v1(3439.57,110.47) 3439.57,29.57 3435,25 ; v1(4544.2,100.84) 4544.2,29.2 4540,25 ; v1(5648.82,96.22) 5648.82,28.82 5645,25 ; v1(6753.45,106.59) 6753.45,28.45 6750,25 ; v1(7855.04,115) 7855.04,29.96 7860,25 ; v1(8962.71,112.33) 8962.71,25 ; v1(10065.04,110) v1(10065.04,110) 10065,25 ; v1(11170.04,110) v1(11170.04,110) 11170,25 ; v1(12275.04,110) 12275.04,25.04 12275,25 ; v1(13380.04,105) v1(13380.04,105) 13380,25 ; v1(14485.04,99.38) 14485.04,30.04 14480,25 ; v1(14485.84,195.84) 14595.84,195.84 14770,370 14770,550 v1(14895,675) ; v1(15588.37,99.38) 15590,97.75 15590,25 ; v1(16691.71,101.71) 16691.71,26.71 16690,25 ; v1(17800,110) 17800,70 17755,25 16690,25 ; 2335,25 3435,25 ; 3435,25 4540,25 ; 4540,25 5645,25 ; 5645,25 6750,25 ; 6750,25 7860,25 ; 7860,25 8962.71,25 ; 8962.71,25 10065,25 ; 10065,25 11170,25 ; 11170,25 12275,25 ; 12275,25 13380,25 ; 13380,25 14480,25 ; 14480,25 15590,25 ; 15590,25 16690,25
VDDA: FB1.2 U1.9 | length 147.4
  Top Layer w10: U1.9 10279.17,653.59 FB1.2
pads on no net: P5.0 P6.0 Touch1.11 Touch2.11 U1.2 U1.3 U1.4 U1.5 U1.6 U1.10 U1.11 U1.22 U1.25 U1.26 U1.27 U1.28 U1.29 U1.32 U1.33 U1.35 U1.36 U1.38 U1.39 U1.40 U1.41 U1.42 U1.43 U1.45 U1.46

## Polygon pours and split planes (outlines as drawn)
POWER_GND on Bottom Layer "POWER_GND_L02_P000" (hatched 90Degree grid 0 track 10, remove dead copper, pour order 0): 18895,0 18895,844.38 0,844.38 0,0
POWER_GND on Top Layer "POWER_GND_L01_P002" (hatched 90Degree grid 0 track 10, remove dead copper, pour order 2): 0,0 0,844.38 18895,844.38 18895,0

## Keep-outs
Keep-Out Layer:
  the board outline again, w5

## Other copper
Top Layer:
  pour cut-out: 1280,369.38 1280,14.38 1635,14.38 1635,114.38 1915,114.38 1915,189.38 1915,264.38 1635,264.38 1635,369.38
  pour cut-out: 2385,370 2385,15 2740,15 2740,115 3020,115 3020,190 3020,265 2740,265 2740,370
  pour cut-out: 3490,370 3490,15 3845,15 3845,115 4125,115 4125,190 4125,265 3845,265 3845,370
  pour cut-out: 4600,370 4600,15 4955,15 4955,115 5235,115 5235,190 5235,265 4955,265 4955,370
  pour cut-out: 5710,370 5710,15 6065,15 6065,115 6345,115 6345,190 6345,265 6065,265 6065,370
  pour cut-out: 6810,370 6810,15 7165,15 7165,115 7445,115 7445,190 7445,265 7165,265 7165,370
  pour cut-out: 7910,370 7910,15 8265,15 8265,115 8545,115 8545,190 8545,265 8265,265 8265,370
  pour cut-out: 9015,370 9015,15 9370,15 9370,115 9650,115 9650,190 9650,265 9370,265 9370,370
  pour cut-out: 10120,369.38 10120,14.38 10475,14.38 10475,114.38 10755,114.38 10755,189.38 10755,264.38 10475,264.38 10475,369.38
  pour cut-out: 11230,370 11230,15 11585,15 11585,115 11865,115 11865,190 11865,265 11585,265 11585,370
  pour cut-out: 12340,369.38 12340,14.38 12695,14.38 12695,114.38 12975,114.38 12975,189.38 12975,264.38 12695,264.38 12695,369.38
  pour cut-out: 13445,369.38 13445,14.38 13800,14.38 13800,114.38 14080,114.38 14080,189.38 14080,264.38 13800,264.38 13800,369.38
  pour cut-out: 14535,370 14535,15 14890,15 14890,115 15170,115 15170,190 15170,265 14890,265 14890,370
  pour cut-out: 15640,370 15640,15 15995,15 15995,115 16275,115 16275,190 16275,265 15995,265 15995,370
  pour cut-out: 16742.5,370 16742.5,15 17097.5,15 17097.5,115 17377.5,115 17377.5,190 17377.5,265 17097.5,265 17097.5,370
  pour cut-out: 17852.5,370 17852.5,15 18207.5,15 18207.5,115 18487.5,115 18487.5,190 18487.5,265 18207.5,265 18207.5,370
Bottom Layer:
  pour cut-out: 1280,369.38 1280,14.38 1635,14.38 1635,114.38 1915,114.38 1915,184.38 1915,264.38 1635,264.38 1635,369.38
  pour cut-out: 2385,370 2385,15 2740,15 2740,115 3020,115 3020,185 3020,265 2740,265 2740,370
  pour cut-out: 3490,370 3490,15 3845,15 3845,115 4125,115 4125,185 4125,265 3845,265 3845,370
  pour cut-out: 4600,370 4600,15 4955,15 4955,115 5235,115 5235,185 5235,265 4955,265 4955,370
  pour cut-out: 5710,370 5710,15 6065,15 6065,115 6345,115 6345,185 6345,265 6065,265 6065,370
  pour cut-out: 6810,370 6810,15 7165,15 7165,115 7445,115 7445,185 7445,265 7165,265 7165,370
  pour cut-out: 7910,370 7910,15 8265,15 8265,115 8545,115 8545,185 8545,265 8265,265 8265,370
  pour cut-out: 9015,370 9015,15 9370,15 9370,115 9650,115 9650,185 9650,265 9370,265 9370,370
  pour cut-out: 10120,369.38 10120,14.38 10475,14.38 10475,114.38 10755,114.38 10755,184.38 10755,264.38 10475,264.38 10475,369.38
  pour cut-out: 11230,370 11230,15 11585,15 11585,115 11865,115 11865,185 11865,265 11585,265 11585,370
  pour cut-out: 12340,369.38 12340,14.38 12695,14.38 12695,114.38 12975,114.38 12975,184.38 12975,264.38 12695,264.38 12695,369.38
  pour cut-out: 13440,369.38 13440,14.38 13795,14.38 13795,114.38 14075,114.38 14075,184.38 14075,264.38 13795,264.38 13795,369.38
  pour cut-out: 14535,370 14535,15 14890,15 14890,115 15170,115 15170,185 15170,265 14890,265 14890,370
  pour cut-out: 15640,370 15640,15 15995,15 15995,115 16275,115 16275,185 16275,265 15995,265 15995,370
  pour cut-out: 16742.5,370 16742.5,15 17097.5,15 17097.5,115 17377.5,115 17377.5,185 17377.5,265 17097.5,265 17097.5,370
  pour cut-out: 17852.5,370 17852.5,15 18207.5,15 18207.5,115 18487.5,115 18487.5,185 18487.5,265 18207.5,265 18207.5,370

## Silkscreen, mask and mechanical layers (free items; w line width, h text height)
Drill Drawing:
  text ".Lengend" at 18960,40 h39.37